# Allegro board RK_EVB1_RK3576_LP4XD200P132SD6_V12_20240530YWQ.brd (continued)
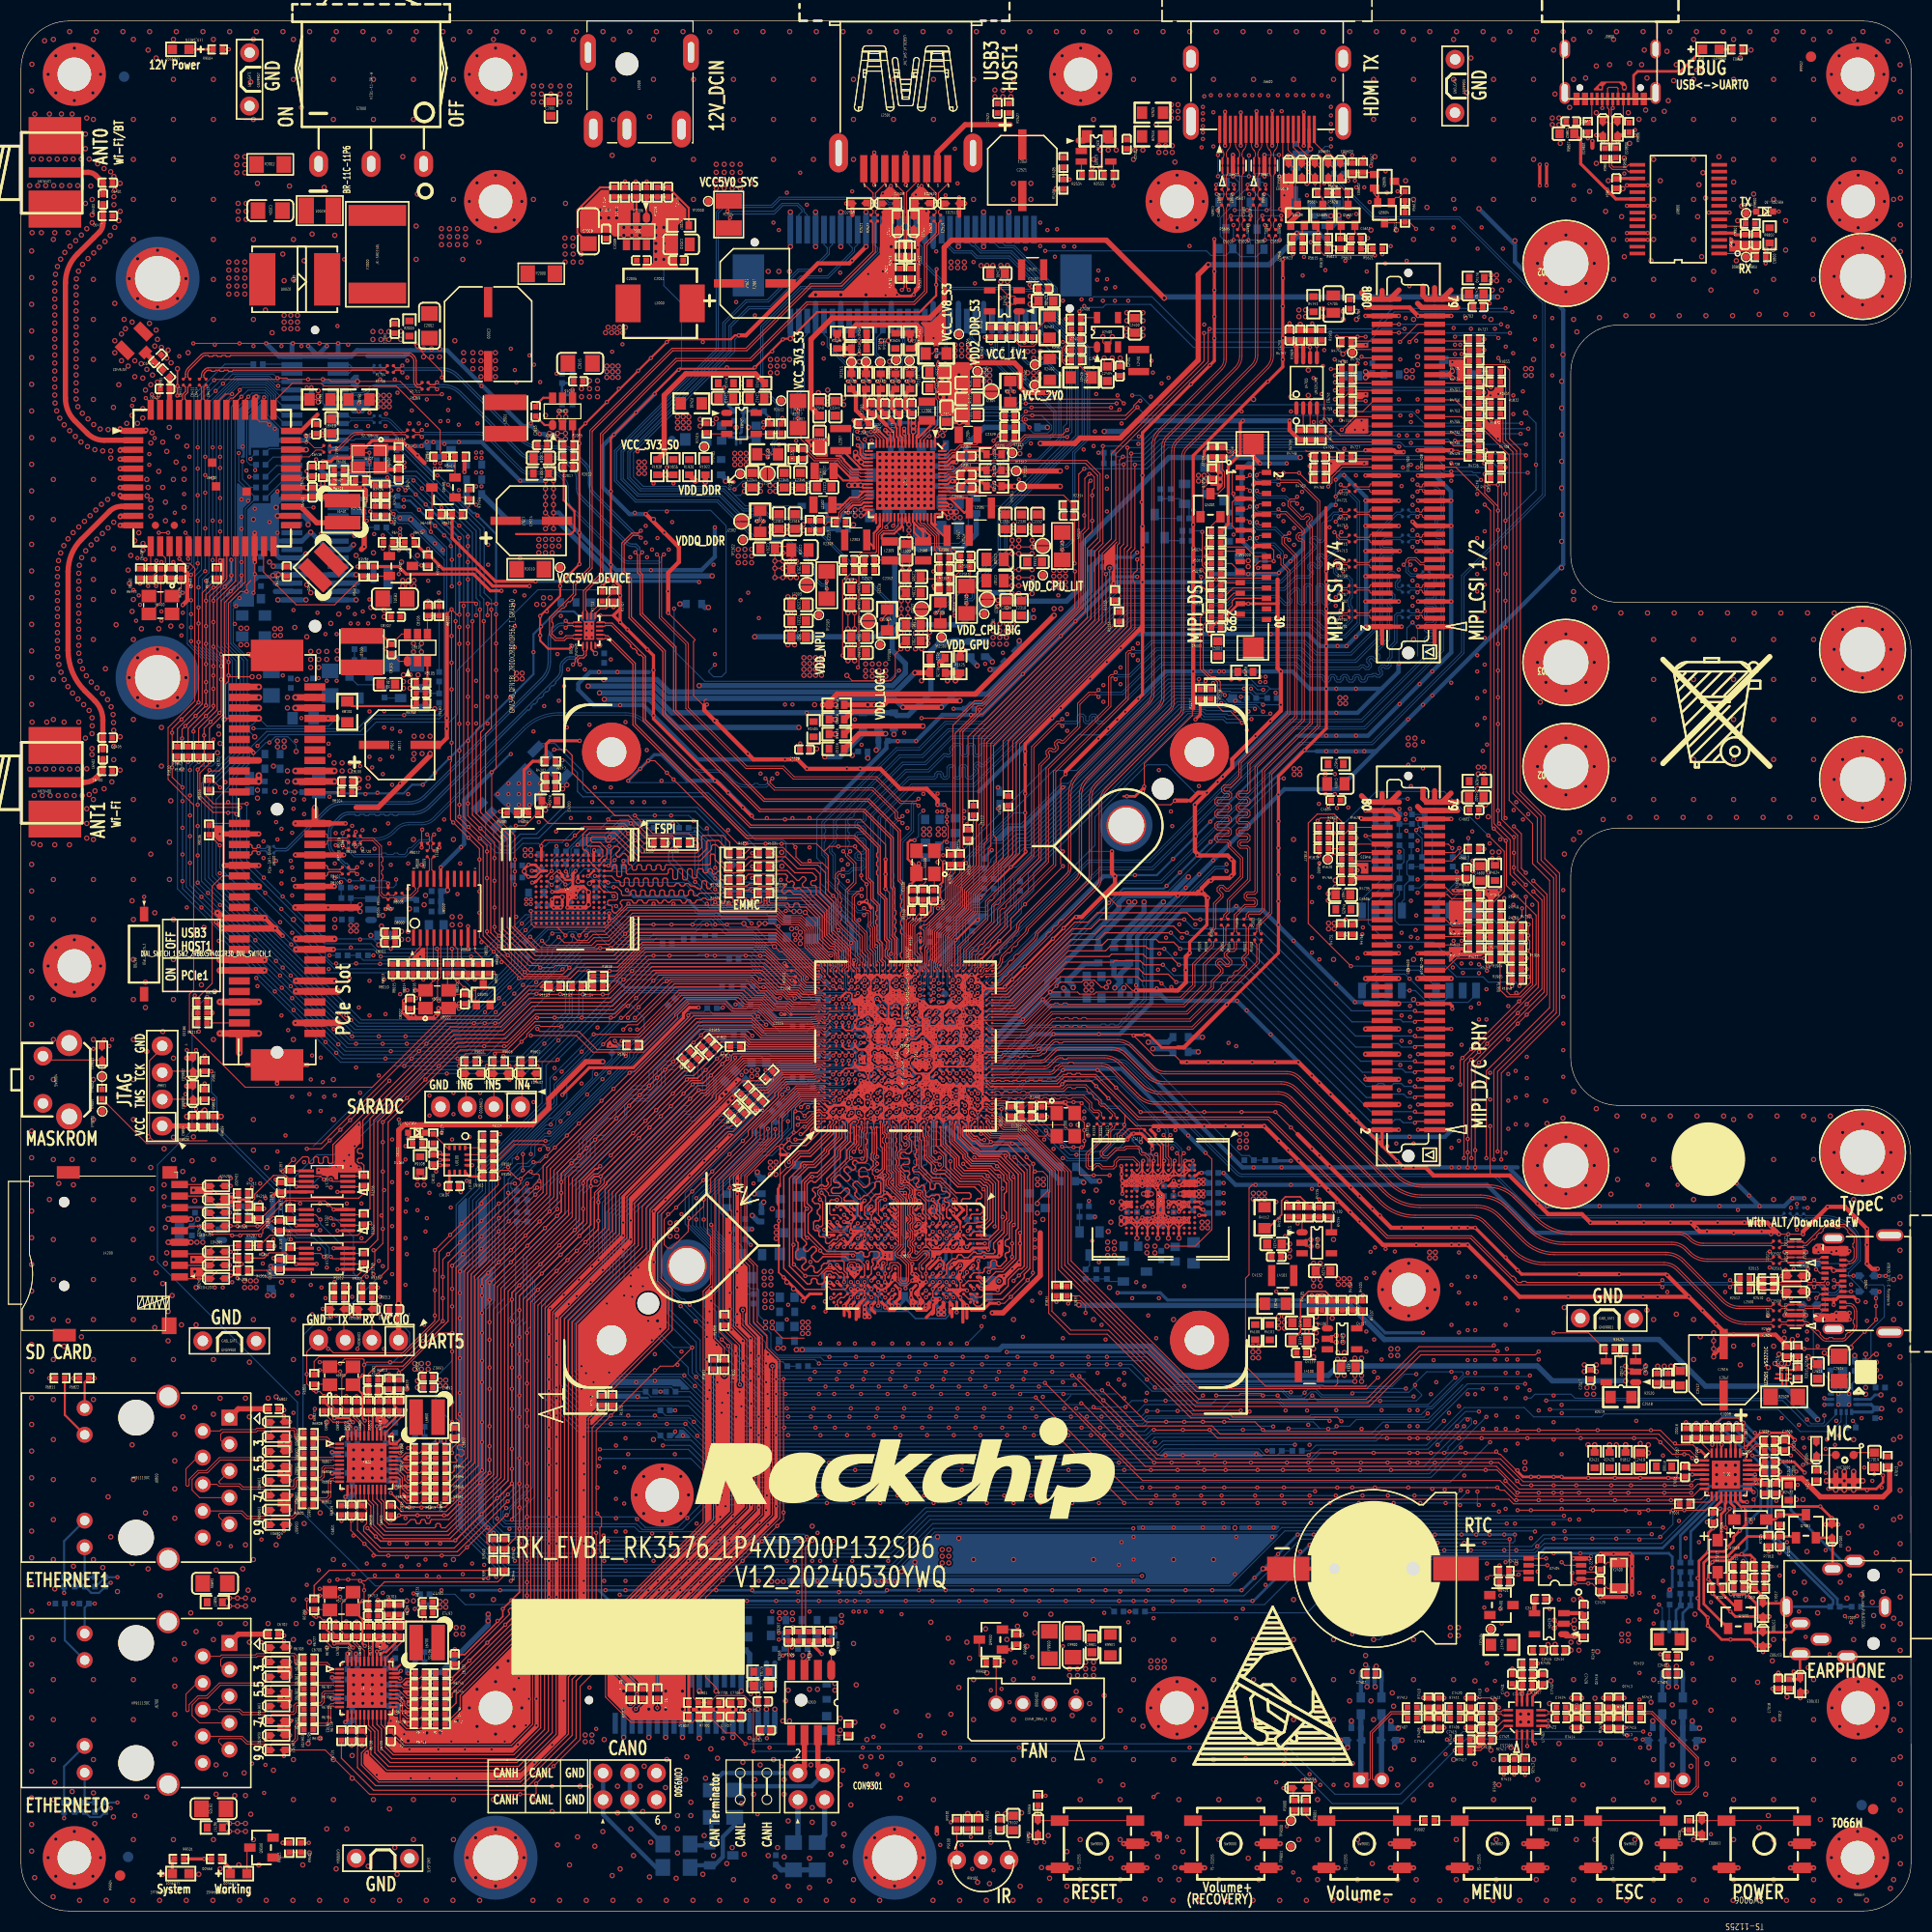
[diagram p0: board, top side]
## Routing (per net, layer and track width the routed paths; a pad name or vN(x,y) marks a point on that pad's centre or on a via; arc(x,y) is an arc through that point) (continued)
  L4-SIG w0.102: 74.46,66.49 v1(74.85,66.88) 74.53,67.21 ; 74.46,66.49 74.46,67.28 ; 74.46,66.49 74.46,65.86 ; 80.43,72.7 80.43,72.69 78.76,72.69 78.65,72.59 78.65,67.58 ; 80.43,72.7 80.73,72.7 80.83,72.8 80.83,74.32 79.74,75.41 v1(79.74,75.47) 79.74,75.48 80.14,75.88 80.14,76.17 79.74,76.56 v1(79.74,76.57) ; 80.43,72.7 80.56,72.57 80.56,72.4 ; v1(86.84,59.24) v1(86.19,59.89) ; v1(88.14,63.24) 87.79,62.89 86.7,62.89 86.49,63.1 86.49,63.69 ; v1(79.04,59.24) v1(78.39,59.89) 78.07,60.22 78.07,61.67 77.81,61.92 77.49,61.92 v1(77.07,61.49) 77.07,61.95 76.61,62.41 ; 118.26,41.91 118.26,63.15 122.46,67.35 122.46,67.53 122.34,67.64 122.34,104.96 123.61,106.23 123.61,126.69 123.35,126.95 123.35,131.87 123.48,132 123.48,136.98 124.75,138.25 v1(124.75,141.93) 124.75,143.07 124.92,143.07 124.99,143.15 125.28,143.15 125.37,143.06 ; v1(36.03,49.05) 36.16,49.05 37,48.2 37,45.03 37.73,44.3 37.73,29.76 37.51,29.54 v2(37.38,29.54) ; v1(27.73,81.48) 27.83,81.38 27.83,76.5 v1(27.47,76.14) 27.83,75.79 27.83,75.42 v1(31.25,72) v1(34.59,68.66) v1(36.63,66.61) 56.66,46.58 v1(56.66,44.33) v1(56.66,41.79) v1(56.66,39.25) v1(56.66,37.41) v1(56.66,36.14) v1(56.66,29.55) 57.44,28.77 58.97,28.77 v1(59.48,28.26) ; v1(79.1,76.63) 78.76,76.29 78.76,76.29 v1(78.53,76.05) 78.53,75.21 77.64,74.32 77.64,68.14 77.21,67.71 77.21,67.3 ; 125.37,143.06 125.69,142.74 125.69,142.39 ; 125.37,143.06 125.37,143.73 v1(125.14,143.96) 125.14,144.09 125.52,144.47 125.52,145.87 v1(125.14,146.25) 125.11,146.28 v1(125.11,147.77) 125.11,149.72 v1(125.32,149.93) 125.9,149.35 v2(125.9,148.28) v2(125.9,147.52) 126.15,147.26 126.15,143.84 127.85,142.13 v1(127.85,141.07) 127.85,106.54 v1(126.41,105.1) v1(125.17,103.86) 124.52,103.2 124.37,103.2 124.17,103.41 124.17,103.89 v1(125.33,105.05) 127.14,106.86 v1(127.14,110.43) v1(127.14,111.94) v1(127.14,116.4) v1(127.14,121.36) v1(127.14,136.72) 127.14,139.17 126.28,140.04 126.28,141.8 125.69,142.39 ; v1(86.19,60.69) 85.51,61.37 85.51,62.53 85.34,62.7 v1(85.26,62.7) 85.26,62.78 85.14,62.91 85.14,64.32 ; v1(86.19,60.69) 86.36,60.69 86.78,60.27 ; v1(86.19,60.69) 86.62,60.27 86.78,60.27 ; v1(80.34,63.24) 80.43,63.33 ; v1(35.27,132.3) 35.27,132.24 34.46,131.43 v1(34.46,131.01) v1(34.46,129.76) 34.46,128.72 35.85,127.33 v1(35.98,127.33) ; 74.46,67.28 74.53,67.21 ; 74.46,67.28 74.46,70.82 74.53,70.89 ; v1(79.04,66.44) 78.65,66.83 78.65,67.58 ; v1(79.04,66.44) v1(79.04,65.64) ; v1(79.04,66.44) 79.44,66.85 79.44,67.22 79.19,67.48 78.76,67.48 78.65,67.58 ; 74.53,70.56 74.61,70.64 v1(74.61,70.97) 74.53,70.89 ; 74.53,70.56 74.53,67.21 ; 74.53,70.56 74.53,70.89 ; v2(75.68,153.93) 72.5,150.75 69.06,150.75 v1(68.37,150.06) 58.71,140.41 v1(58.71,139.01) 58.33,138.63 58.33,136.47 v1(61.51,133.29) ; 109.26,145.99 v1(109.29,146.02) ; v1(109.29,146.02) v1(107.66,147.65) 105.32,149.99 v2(105.32,150.06) ; v1(109.29,146.02) 109.95,145.36 109.95,135.16 111.08,134.02 111.08,126.33 115.26,122.16 v1(115.26,117.29) 115.3,117.25 115.3,117.09 116.63,115.77 116.63,115.51 116.37,115.26 v1(115.65,115.26) 115.83,115.45 115.83,115.94 114.7,117.06 114.7,117.91 v1(114.56,118.05) 114.56,121.9 110.55,125.91 110.55,133.55 109.24,134.87 109.24,145.08 v1(107.8,146.51) 104.41,149.91 104.41,153.14 v1(104.18,153.36) 104.18,153.67 v1(103.32,154.53) v1(102.49,155.35) v1(99.32,158.53) v1(97.76,160.09) v1(72.18,160.09) 72.08,160.09 71.93,160.24 69.31,160.24 57.57,148.51 v1(56.3,148.51) 50.1,148.51 v1(48.86,147.26) v1(47.18,145.59) 46.07,144.47 41.18,144.47 v1(40.8,144.09) 40.68,143.97 v1(40.68,142.95) v1(40.68,141.9) 40.68,139.9 40.17,139.9 38.94,138.66 38.94,138.41 36.62,136.1 36.62,135.95 36.74,135.83 ; 74.59,72.45 74.59,73.83 74.61,73.86 v1(74.61,74.69) 74.26,74.34 73.92,74.34 73.72,74.14 v1(73.59,74.14) ; 104.92,153.92 105.73,153.12 105.73,151.1 v2(105.32,150.69) 104.92,151.1 104.92,153.92 ; 104.92,153.92 v1(104.2,154.65) v1(103.43,155.41) v1(102.61,156.23) v1(100.32,158.52) v1(98.67,160.17) 98.04,160.8 v1(97.07,160.8) v1(71.66,160.8) 69.07,160.8 57.49,149.21 v1(57.28,149.21) 49.48,149.21 v1(48.43,148.15) v1(47.03,146.76) 45.51,145.23 v1(43.86,145.23) 40.86,145.23 v1(40.09,144.46) 39.95,144.32 v1(39.95,141.89) 39.95,140.31 36.17,136.53 v1(34.9,136.53) 33.94,135.57 v1(32.54,135.57) ; 75.99,67.86 75.91,67.93 75.91,68.83 75.99,68.91 ; 73.14,72.02 73.46,72.02 73.52,72.08 ; 76.61,62.41 76.61,62.6 74.53,64.68 74.53,65.93 74.46,65.86 ; 76.61,62.41 76.13,62.88 v1(76.11,62.88) v1(74.88,64.12) 74.46,64.53 74.46,65.86 ; v1(88.79,66.44) 88.79,66.11 88.47,65.78 88.47,65.78 ; v1(88.79,66.44) 88.44,66.8 88.44,67.27 88.79,67.63 ; v1(88.79,66.44) 88.79,66.57 89.14,66.92 89.14,67.28 88.79,67.63 ; v1(143.32,96.59) v1(143.32,97.73) v1(143.32,98.88) 143.32,103.68 v1(143.04,103.96) v1(142.15,104.85) 140.97,106.03 140.97,111.49 140.67,111.8 v1(140.67,113.05) v1(140.67,115.59) v1(140.67,118.13) v1(140.67,120.67) v1(140.67,125.75) v1(140.67,128.29) v1(140.67,131.52) v1(140.67,133.37) v1(140.67,135.83) v1(140.67,140.23) 140.67,141.33 141.41,142.07 v1(141.41,148.99) 141.41,150.59 141.58,150.77 v1(141.58,150.9) ; 77.78,66.26 77.21,66.83 77.21,67.3 ; 77.78,66.26 77.78,67.04 v1(77.73,67.09) 77.42,67.09 77.21,67.3 ; 77.78,66.26 v1(78.39,65.64) v1(79.04,65.64) ; v1(88.18,76.71) 87.79,76.31 87.79,75.92 88.1,75.61 v1(88.1,75.43) 88.1,75.12 87.09,74.1 87.09,72.26 v1(87.09,72.26) v1(87.09,70.57) 87.09,70.12 88.79,68.42 v1(88.79,67.76) 88.79,67.63 ; 124.31,120.28 124.5,120.47 ; 124.31,120.28 v1(124.31,120.47) v1(124.31,124.02) v1(124.31,126.56) 123.76,127.12 123.76,131.7 124.15,132.09 124.15,135.99 124.47,136.31 v1(125.21,136.31) 125.39,136.49 125.39,141.68 v1(125.69,141.98) 125.69,142.39 ; 124.31,120.28 v1(124.31,116.4) v1(124.31,111.94) v1(124.31,110.45) 124.31,108.56 124.22,108.46 v2(124.22,108.29) 124.22,106.05 v1(123.61,105.44) 122.87,104.7 122.87,99.75 122.95,99.67 v1(122.95,98.5) v1(122.95,96.08) v1(122.95,92.65) v1(122.95,91.28) v1(122.95,79.55) v1(122.95,72.59) v1(122.95,68.78) 123.03,68.7 123.03,66.92 v1(121.58,65.47) v1(120.38,64.27) 118.87,62.75 118.87,44.82 119.04,44.65 119.04,43.56 ; 82.84,74.62 82.84,71.45 83.57,70.72 83.57,68.22 83.76,68.04 83.76,63.02 83.23,62.48 83.23,60.87 83.07,60.71 v1(82.3,60.71) ; 92,60.67 v1(92.17,60.84) 93.17,61.84 v1(93.17,62.43) v1(93.17,63.57) ; 92,60.67 91.85,60.52 91.37,60.52 90.09,59.24 v1(90.09,59.09) ; 92,60.67 92,59.77 91.52,59.29 v1(91.44,59.29) 91.04,58.89 90.29,58.89 v1(90.09,59.09) ; v1(132.77,50.1) 132.77,50.09 ; 132.77,50.09 132.25,49.57 v1(132.25,47.7) v1(132.25,46.17) v1(132.25,45.03) v1(132.25,43.63) v1(132.25,42.71) 132.25,42.19 139.61,34.83 v1(139.61,33.09) v1(139.61,31.69) v1(139.61,23.6) v1(139.61,21.06) 139.61,17.98 142.92,14.68 ; 132.77,50.09 132.77,49.81 133.01,49.57 v1(133.01,47.7) v1(133.01,46.17) v1(133.01,45.03) v1(133.01,43.63) v1(133.01,42.71) 133.01,42.7 v1(135.59,40.12) v1(137.05,38.66) 140.38,35.34 v1(140.38,21.92) v1(140.38,20.12) 140.38,19.32 142.99,16.71 143.93,16.71 ; v2(102.14,18.23) 103.57,19.66 103.57,57.15 110.91,64.49 110.91,71.7 111.29,72.08 111.29,78.96 v1(115,82.67) 115,96.32 113.84,97.48 113.83,97.48 113.83,97.49 113.73,97.59 113.73,104.61 115.37,106.25 115.37,111.41 109.93,116.84 109.93,121.94 106.81,125.06 v1(106.81,126.56) v1(106.81,128.21) 106.81,130.86 102.02,135.65 101.85,135.65 101.51,135.99 101.51,136.63 v1(101.75,136.87) 102.99,136.87 103.64,136.22 ; 103.64,136.22 103.64,141.16 100.19,144.62 100.19,148.37 99.87,148.69 v1(99.52,148.69) 99.52,148.88 97.07,151.33 95.78,151.33 v2(94.08,153.03) 93.38,153.73 85.22,153.73 v1(85.02,153.93) v1(83.43,153.93) 83.43,154.71 84.21,155.49 85.51,155.49 86.13,154.87 87.14,154.87 v1(87.16,154.88) 93.01,154.88 v2(93.31,155.19) ; 103.64,136.22 103.64,135.04 v1(106.81,131.87) 107.74,130.94 107.74,124.84 110.47,122.1 110.47,116.88 115.78,111.58 115.78,105.34 115.28,104.84 v1(115.28,100.17) ; 74.46,77.09 75.05,77.09 75.15,76.98 75.15,76.76 v1(74.95,76.56) ; 74.46,77.09 74.26,77.09 ; 74.46,77.09 74.46,77.04 v1(74.95,76.56) ; v1(80.34,64.84) 80.22,64.97 79.65,64.97 79.04,65.57 v1(79.04,65.64) ; v1(80.34,64.84) 80.43,64.84 ; v1(80.34,64.84) 80.34,64.88 80.69,65.22 80.72,65.22 v1(80.99,65.49) 80.69,65.8 80.69,65.86 80.56,65.98 80.56,67.44 v1(80.34,67.65) 81.2,67.65 81.45,67.9 81.45,69.07 80.87,69.65 80.87,71.19 ; 78.73,62.46 78.73,62.74 78.58,62.89 77.44,62.89 v1(77.09,63.24) 76.88,63.24 75.95,64.17 75.95,65.08 v1(75.86,65.18) ; 78.73,62.46 78.73,61.31 79.19,60.84 v1(79.69,60.84) ; 78.73,62.46 v1(79.69,61.49) v1(79.69,60.84) ; 92.12,62.78 92.12,62.38 90.97,61.23 90.97,61.23 89.74,60 v1(89.49,60) 89.24,60.25 87.85,60.25 87.5,59.89 v1(87.49,59.89) v1(88.14,59.24) 88.19,59.24 88.39,59.04 90.04,59.04 v1(90.09,59.09) ; 92.12,62.78 91.86,62.53 91.86,62.43 91.73,62.3 v1(91.73,62.28) 91.71,62.3 91.63,62.3 91.44,62.49 91.44,64.8 91.61,64.97 v1(91.61,65.22) ; 92.12,62.78 v1(92.12,62.99) 92.12,63.14 92.17,63.19 92.17,64.13 92.23,64.2 92.23,64.56 91.86,64.93 91.86,64.97 v1(91.61,65.22) ; v1(85.1,76.69) 85.12,76.69 85.77,76.04 85.77,75.23 85.54,75 85.54,69.24 86.09,68.68 86.09,62.86 v1(86.82,62.13) 87.46,61.49 v1(87.49,61.49) ; v1(138.85,90.15) v1(138.85,89.32) v1(138.85,86.43) v1(138.85,84.91) v1(138.85,83.13) v1(138.85,81.81) v1(138.85,80.81) 138.85,76.49 136.24,73.88 v1(136.24,72.69) v1(136.24,70.82) v1(136.24,65.07) v1(136.24,63.44) v1(136.24,59.63) v1(136.24,55.82) v1(136.24,51.35) 136.24,50.49 136.36,50.36 136.95,50.36 v1(136.95,55.09) v1(136.95,58.9) v1(136.95,62.71) v1(136.95,63.44) v1(136.95,65.07) v1(136.95,70.82) v1(136.95,73.36) 136.95,73.58 139.57,76.2 v1(139.57,84.91) v1(139.57,87.78) 139.57,87.91 140.05,88.39 140.05,90.03 139.95,90.13 v1(139.92,90.13) ; v1(86.34,75.47) 86.34,75.47 86.34,75.2 85.93,74.79 85.93,69.4 86.49,68.85 86.49,67.98 86.71,67.76 v1(86.84,67.76) 86.84,67.63 86.49,67.28 86.49,64.4 86.49,64.4 86.49,64.4 ; v1(82.96,57.63) 83.36,57.22 85.12,57.22 v1(85.54,57.64) ; 86.78,60.27 87.04,60.27 87.16,60.4 ; 85.14,65.12 85.14,64.32 ; 85.14,65.12 v1(85.54,64.72) 85.14,64.32 ; 85.14,65.12 85.14,65.59 85.14,65.6 85.14,67.23 ; v1(124.5,105.22) 123.48,104.2 v1(123.48,103.83) 123.27,103.62 123.27,100.36 123.65,99.98 v1(123.65,99.79) v1(123.65,97.48) v1(123.65,90.62) v1(123.65,78.85) v1(123.65,71.95) v1(123.65,69.16) v1(123.65,67.76) 123.65,66.53 120.44,63.32 v1(120.44,59.25) 120.59,59.1 120.59,57.35 120.82,57.12 120.82,51.99 120.59,51.76 120.59,47.83 v1(120.44,47.67) ; v1(137.78,72.25) v1(137.78,70.82) v1(137.78,65.07) v1(137.78,63.44) v1(137.78,60.4) v1(137.78,57.86) v1(137.78,55.32) v1(137.78,52.46) v1(137.78,51.25) v1(137.78,49.22) v1(137.78,46.81) 137.78,40.73 v1(137.13,40.08) ; v1(29.76,91.58) 29.25,92.09 v1(29.25,95.58) 29.12,95.71 29.12,104.72 v2(32.17,107.77) ; v2(106.85,150.69) 106.45,151.1 106.45,152.38 106.68,152.62 107.01,152.62 107.25,152.38 107.25,150.46 v2(106.85,150.06) ; 36.74,135.83 36.96,135.61 36.96,134.89 36.46,134.39 v1(36.45,134.39) 36.37,134.31 36.24,134.31 33.63,131.71 v1(33.63,131.14) 33.63,129.42 v2(33.57,129.36) v2(33.57,123.26) 33.57,110.09 29.6,106.12 v1(29.38,106.12) ; 36.74,135.83 36.49,135.83 36.03,135.38 v1(35.96,135.38) 35.96,135.17 32.68,131.9 v1(32.68,131.27) v1(32.68,129.93) 32.68,129.1 32.04,129.1 31.92,128.98 v2(31.92,129.1) ; 77.35,74.88 77.13,74.66 77.13,68.22 76.76,67.86 76.76,65.85 v1(77,65.62) 77,65.48 77.51,64.97 78.77,64.97 v1(79.04,64.69) 79.31,64.42 79.92,64.42 80.3,64.04 v1(80.34,64.04) ; v1(138.49,72.46) v1(138.49,70.82) v1(138.49,65.07) v1(138.49,60.4) v1(138.49,57.86) v1(138.49,55.32) v1(138.49,52.46) v1(138.49,51.25) v1(138.49,49.22) v1(138.49,46.55) 138.49,40.41 138.7,40.2 v1(138.7,39.95) ; 79.3,57.26 78.88,56.84 77.13,56.84 76.88,57.09 v1(76.62,57.09) 75.88,57.09 v1(75.49,57.49) 73.59,59.39 ; 79.3,57.26 78.76,57.26 v1(78.39,57.63) 78.39,57.99 77.64,58.75 76.63,58.75 75.89,59.48 75.89,61.11 75.18,61.81 v1(75.18,61.82) ; 79.3,57.26 79.42,57.39 79.57,57.39 v1(79.57,57.38) ; v1(142.11,148.36) 142.11,147.01 142.13,147 v1(142.13,144.34) v1(142.13,142.57) 142.13,141.9 141.38,141.16 v1(141.38,138.25) v1(141.38,137.5) 141.38,112.1 141.38,112.1 141.48,112 141.48,106.54 v1(142.41,105.61) v1(143.55,104.47) 144.03,103.99 v1(144.03,98.12) v1(144.03,97.1) 144.03,96.08 143.93,95.98 v1(143.93,95.83) 143.93,95.67 144.03,95.58 144.03,91.94 143.47,91.38 ; 136.21,139.01 v1(136.21,137.89) v1(136.21,137.1) v1(136.21,136.22) v1(136.21,134.32) v1(136.21,131.92) v1(136.21,129.52) v1(136.21,127.12) ; 86.49,63.69 86.49,64.4 ; 86.49,63.69 v1(86.84,64.04) 86.49,64.4 ; v1(133.01,139.12) 133.01,138.99 132.63,138.61 132.63,137.14 v1(133.05,136.72) 133.14,136.72 133.52,136.34 v1(133.52,114.88) v1(133.52,111.36) v1(133.52,108.82) ; 93.77,70.12 93.77,69.29 ; 93.77,70.12 93.77,70.52 91.26,73.04 91.26,73.84 v1(91.43,74.01) ; 93.77,70.12 v1(92.96,70.93) ; 93.77,69.29 93.17,69.88 v1(93.17,69.98) ; 93.77,69.29 93.49,69.01 v1(93.49,68.8) v1(93.49,66.1) 93.77,65.82 93.77,61.59 92.45,60.27 92.45,59.46 91.37,58.38 89.53,58.38 89.48,58.43 v1(89.45,58.43) ; 80.47,59.24 v1(80.34,59.24) ; 76.24,69.16 76.24,75.13 75.15,76.22 75.15,76.36 v1(74.95,76.56) ; 80.56,72.4 80.87,72.1 80.87,71.19 ; 80.56,72.4 80.56,71.5 80.87,71.19 ; v1(93.77,71.94) 93.89,71.81 93.89,71.15 94.51,70.53 v1(94.51,69.92) 94.51,65.37 v1(94.55,65.34) 94.55,65.26 94.4,65.11 94.4,63.58 v1(94.39,63.57) 94.4,63.56 94.4,62.31 v1(94.39,62.3) 94.4,62.29 94.4,61.16 v1(94.4,61.16) 94.4,61.14 93.74,60.48 v1(93.61,60.48) 93.61,59.86 93.01,59.26 v1(93.01,59.14) 93.01,59.13 ; v1(93.77,71.94) 93.78,71.94 94.46,71.94 v1(94.62,71.79) 94.91,71.5 94.91,71.05 95.14,70.82 v1(95.14,64.59) v1(95.14,63.57) 95.14,61.9 v1(95.04,61.79) 95.14,61.69 95.14,60.63 v1(95.04,60.52) v1(94.53,60.02) 94.33,59.81 94.33,59.34 93.67,58.68 93.38,58.68 93.01,59.05 93.01,59.13 ; v1(93.77,71.94) 93.77,71.97 92.5,73.25 v1(92.37,73.25) 92.5,73.38 92.5,73.86 91.86,74.49 91.58,74.49 91.58,74.62 ; v1(75.58,74.27) 75.47,74.37 75.47,75.01 74.76,75.72 v1(74.62,75.72) ; 85.14,67.23 v1(85.54,67.63) 85.14,68.03 ; 85.14,67.23 85.14,68.03 ; 142.35,87.5 v1(142.41,87.45) 142.35,87.39 ; 142.35,87.5 142.35,87.39 ; 142.35,87.5 142.35,88.34 142.22,88.46 141.77,88.46 141.65,88.34 v1(141.65,86.18) v1(141.65,83) v1(141.65,79.71) v1(141.65,77.17) v1(141.65,74.49) 141.65,72.46 v1(141.39,72.21) v1(141.39,70.81) v1(141.39,62.25) v1(141.39,58.36) v1(141.39,55.82) v1(141.39,51.25) v1(141.39,48.84) v1(141.39,45.92) v1(141.39,43.89) 141.39,41.12 141.38,41.1 v1(141.38,40.97) 141.39,40.96 v1(141.39,38.3) 141.39,37.29 141.14,37.05 141.14,36.64 141.26,36.52 141.9,36.52 v1(142.28,36.9) 142.53,37.16 v1(142.53,38.17) ; v1(89.44,63.24) 89.79,62.89 90.24,62.89 90.52,63.18 90.52,64.95 90.27,65.21 89.96,65.21 ; v2(93.95,155.19) 94.71,155.19 v2(96.11,153.79) ; v1(125.29,46.17) 125.29,47.01 128.13,49.84 v1(128.13,53.28) v1(128.13,55.19) v1(128.13,60.27) 128.13,62.37 v1(128.53,62.78) v1(128.95,63.19) 129.42,63.66 v1(129.42,66.24) v1(129.42,73.48) 129.42,86.94 131.7,89.23 132.63,89.23 133.05,88.8 133.05,87.97 131.42,86.34 131.21,86.34 130.84,85.97 v1(130.84,62.81) 130.84,62.42 129.58,61.16 129.58,54.3 v1(129.58,52.52) 129.58,50.65 129.37,50.44 129.08,50.44 128.87,50.65 v1(128.87,51.35) v1(128.87,54.43) v1(128.87,60.77) 128.87,61.97 v1(129.96,63.06) 130.13,63.23 v1(130.13,72.84) 130.13,86.22 132.25,88.34 132.58,88.34 133.01,88.76 v1(133.01,88.8) ; 85.14,68.03 85.14,75.41 85.15,75.41 85.15,75.44 ; v1(114.54,66.48) 114.54,65.01 108.37,58.85 v1(108.37,58.36) ; v1(136.62,97.2) 136.62,97.43 135.3,98.75 135.3,103.09 v1(136.21,104) v1(136.21,116.98) v1(136.21,122.32) v1(136.21,124.72) ; 76.09,67.79 v1(76.09,67.75) ; v1(76.09,67.75) 76.24,67.6 76.24,65.6 77.06,64.78 77.06,64.67 77.24,64.49 78.4,64.49 79.19,63.7 79.29,63.7 79.69,63.3 v1(79.69,63.24) ; v1(76.09,67.75) 76.29,67.96 76.29,67.98 76.59,68.28 76.59,68.81 ; v2(96.11,153.03) 96.29,152.85 97.45,152.85 101.21,149.09 101.21,145.15 104.59,141.77 104.59,136.06 108.88,131.77 108.88,125.42 111.64,122.66 v1(111.64,121.62) v1(111.64,118.05) 111.64,117.2 116.37,112.47 v1(116.75,112.47) 116.88,112.34 116.88,99.77 115.69,98.57 v1(115.28,98.57) 115.28,97.18 115.74,96.72 v1(115.74,95.7) v1(115.74,82.37) 112.05,78.68 112.05,72.08 111.6,71.62 v1(111.6,71.46) 111.6,70.98 111.32,70.7 111.32,63.85 v1(106.97,59.51) v1(105.83,58.36) 104.31,56.84 104.31,19.5 v2(104.69,19.12) ; v1(79.69,60.84) 80.07,60.47 80.07,59.62 v1(79.69,59.24) ; 89.96,65.21 v1(89.44,64.69) ; 89.96,65.21 89.96,69.16 88.51,70.61 v1(88.51,71.41) ; v1(114.3,115.03) 113.96,115.38 113.96,117.03 113.57,117.41 113.46,117.41 112.84,118.03 112.84,122.98 110.12,125.71 110.12,132.86 108.42,134.55 108.42,140.18 v1(105.02,143.58) ; v1(131.21,91.2) 131.21,89.71 128.71,87.21 v1(128.71,66.87) 128.71,64.32 127.56,63.17 127.56,63.08 126.94,62.45 126.94,58.51 v2(124.88,56.46) ; v1(91.61,65.22) v1(91.61,65.98) 91.91,66.29 91.91,68.52 91.69,68.74 v1(91.66,68.74) 91.67,68.75 91.67,68.89 91.1,69.46 91.1,70.3 90.85,70.56 90,70.56 89.73,70.82 v1(89.73,71.16) 89.73,72.05 89.12,72.66 89.12,76.28 88.74,76.67 v1(88.74,76.76) ; 93.01,59.13 91.52,57.64 v1(90.09,57.64) 89.89,57.85 89,57.85 88.75,58.09 88,58.09 87.79,58.29 v1(87.49,58.29) ; v1(81.54,75.47) 81.54,75.16 82.24,74.46 v1(82.24,70.05) 82.88,69.41 v1(82.96,69.41) 83.1,69.28 v1(83.1,67.91) 83.3,67.71 83.3,63.13 82.47,62.3 v1(82.29,62.3) 81.83,62.3 81.61,62.08 v1(81.61,61.46) ; 131.87,108.91 v1(132.12,109.16) ; v1(86.84,58.29) 86.64,58.09 85.89,58.09 v1(85.54,58.44) 85.21,58.78 84.63,58.78 84.24,59.16 v1(84.24,59.3) 84.24,59.38 84.2,59.42 84.2,62.48 v1(84.1,62.58) 84.1,62.61 84.15,62.66 84.15,62.73 84.2,62.78 v1(84.2,68.39) v1(84.2,69.48) 84.2,70.98 83.48,71.7 83.48,75.33 v1(83.39,75.42) ; v1(131.87,104.47) 132.28,104.47 132.64,104.83 132.64,105.34 132.5,105.48 131.99,105.48 129.96,107.51 129.96,147.52 131.77,149.33 v1(131.77,150.69) ; 143.47,91.38 143.55,91.38 143.68,91.26 143.68,91.13 143.8,91 143.8,90.21 143.69,90.09 143.55,90.09 142.36,91.29 142.36,94.23 141.41,95.17 141.41,101.9 139.73,103.58 139.73,109.97 v1(139.22,110.49) 138.69,111.02 v1(138.69,112.97) v1(138.69,115.51) v1(138.69,118.05) v1(138.69,119.59) v1(138.69,123.13) v1(138.69,125.67) v1(138.69,127.33) v1(138.69,130.75) v1(138.69,133.29) v1(138.69,134.95) 138.69,134.95 138.69,136.87 138.79,136.98 138.98,136.98 139.4,136.56 v1(139.4,133.94) v1(139.4,131.4) v1(139.4,127.83) v1(139.4,126.32) v1(139.4,123.78) v1(139.4,121.24) v1(139.4,118.7) v1(139.4,116.16) v1(139.4,113.62) 139.4,111.31 v1(139.62,111.09) 140.14,110.57 140.14,105.34 v1(141.39,104.08) v1(142.18,103.3) v1(142.18,102.28) v1(142.18,100.78) v1(142.18,99.39) v1(142.18,97.86) 142.18,96.75 v1(142.13,96.7) v1(142.13,95.83) 142.13,95.44 142.92,94.65 142.92,91.94 143.47,91.38 ; v1(125.26,116.4) 125.21,116.45 v1(125.21,122.72) v1(125.21,124.31) v1(125.21,125.12) 125.21,126.68 v1(124.31,127.58) 124.31,131.47 v1(124.62,131.78) 124.88,132.04 124.88,134.39 v1(125.21,134.72) ; 81.32,58.62 81.34,58.59 81.34,58 v1(80.99,57.64) 81.81,56.83 86.18,56.83 87.05,57.7 88.29,57.7 88.51,57.48 v1(88.56,57.48) 88.66,57.37 89.59,57.37 90.01,56.95 92.19,56.95 v1(93.12,57.87) 93.66,57.87 v1(94.27,58.49) v1(95.86,60.08) 95.99,60.21 95.99,60.4 v1(96.37,60.78) 96.37,65.22 95.99,65.6 95.99,70.4 96.4,70.82 v1(96.4,71.16) v1(95.77,71.79) 95.77,72.01 94.68,73.1 v1(94.42,73.1) 94.42,73.28 93.34,74.36 93.14,74.36 v1(92.93,74.57) ; 104.31,13.92 v2(102.78,12.39) ; v1(127.29,90.75) 127.29,90.82 126.66,91.45 126.66,92.57 127.11,93.03 v1(127.74,93.03) ; v1(119.67,49.09) 119.29,49.47 119.29,57.35 119.55,57.6 v1(119.55,59) ; 142.35,87.39 v1(142.35,80.01) v1(142.35,77.47) v1(142.35,74.93) 142.28,74.86 142.28,66.24 142.53,65.98 v1(142.53,61.03) v1(142.53,57.21) v1(142.53,52.52) v1(142.53,51.25) v1(142.53,49.86) v1(142.53,47.05) v1(142.53,44.51) v1(142.53,41.97) ; v1(88.79,64.04) 88.6,64.24 ; 98.78,7.31 98.25,6.78 ; v1(33.19,114.24) 33.19,113.45 28.54,108.81 v1(28.54,81.28) v1(28.54,76.2) 28.54,75.97 v1(36.74,67.76) v1(37.76,66.75) 53.47,51.03 53.62,51.03 v1(53.81,51.22) ; v2(24.42,132.87) 24.42,133.04 24.3,133.04 24.04,133.29 24.04,133.93 24.42,134.31 v1(32.81,134.31) 33.7,133.42 33.7,133.17 33.4,132.87 v2(24.42,132.87) ; v1(105.32,106.16) 105.03,106.16 103.17,104.3 103.17,101.63 v1(103.9,100.91) 105.7,100.91 107.36,102.56 107.36,104.13 v1(105.32,106.16)
  L4-SIG w0.152: 73.18,74.55 73.18,73.56 v1(73.09,73.47) 73.52,73.05 73.52,72.4 ; 73.18,74.55 73.05,74.69 v1(73.05,75.22) 73.05,75.87 74.26,77.09 ; 73.18,74.55 v1(73.59,74.14) ; 73.52,71.63 73.52,72.4 ; 73.52,71.63 v1(73.13,72.02) 73.14,72.02 73.52,72.4 ; 73.52,71.63 73.52,63.5 v1(73.57,63.44) 73.61,63.41 73.61,63.38 75.18,61.82 v1(75.18,61.82) ; v1(75.86,65.18) 75.73,65.3 75.73,67.3 75.46,67.57 75.46,69.81 v1(75.35,69.92)
  L4-SIG w0.203: v1(93.17,63.57) 93.17,64.9 92.87,65.2 v1(92.72,65.2) 92.72,65.21 92.85,65.34 92.85,69.21 v1(92.06,70) 92.06,71.12 91.41,71.77 v1(90.79,71.77) 90.79,72.39 90.34,72.84 90.34,75.07 v1(89.94,75.47) ; v1(75.35,69.92) 75.48,70.05 75.48,74.17 v1(75.58,74.27) ; 74.59,72.45 74.72,72.32 74.72,71.08 v1(74.61,70.97) 74.59,71 74.59,72.45
  L4-SIG w0.254: v1(77.34,75.47) v1(77.94,75.47) 77.35,74.88 77.34,74.89 v1(77.34,75.47)
  BOTTOM w0.089: v1(89.94,77.8) 89.73,78 C1305.2 89.92,78.4 R1301.2 ; 85.11,91.33 85.11,91.64 ; U1000.2R5 89.44,81.99 C1405.2 ; U1000.2R5 v1(89.77,81.07) ; U1000.2R5 88.79,81.39 v1(88.47,81.72) ; C1406.2 89.84,80.7 89.97,80.7 90.02,80.74 92.22,80.74 92.41,80.55 93.48,80.55 93.67,80.74 ; 87.85,81.04 87.88,81.04 C1402.2 C1802.2 ; C3800.2 81.74,58.54 82.04,58.24 82.04,57.84 81.97,57.77 81.97,57.35 81.88,57.26 C3843.2 ; 91.99,84.85 91.58,84.44 90.89,84.44 90.59,84.15 90.01,84.15 C1603.2 ; v1(86.53,84.98) 86.84,85.29 87.53,85.29 C1600.2 ; v1(89.77,85.62) 90.09,85.29 90.74,85.29 v1(91.07,84.97) ; 86.95,64.3 87.17,64.52 87.17,65.06 C3806.2